# Altium PCB all.PcbDoc (part 1 of 2) (continued)
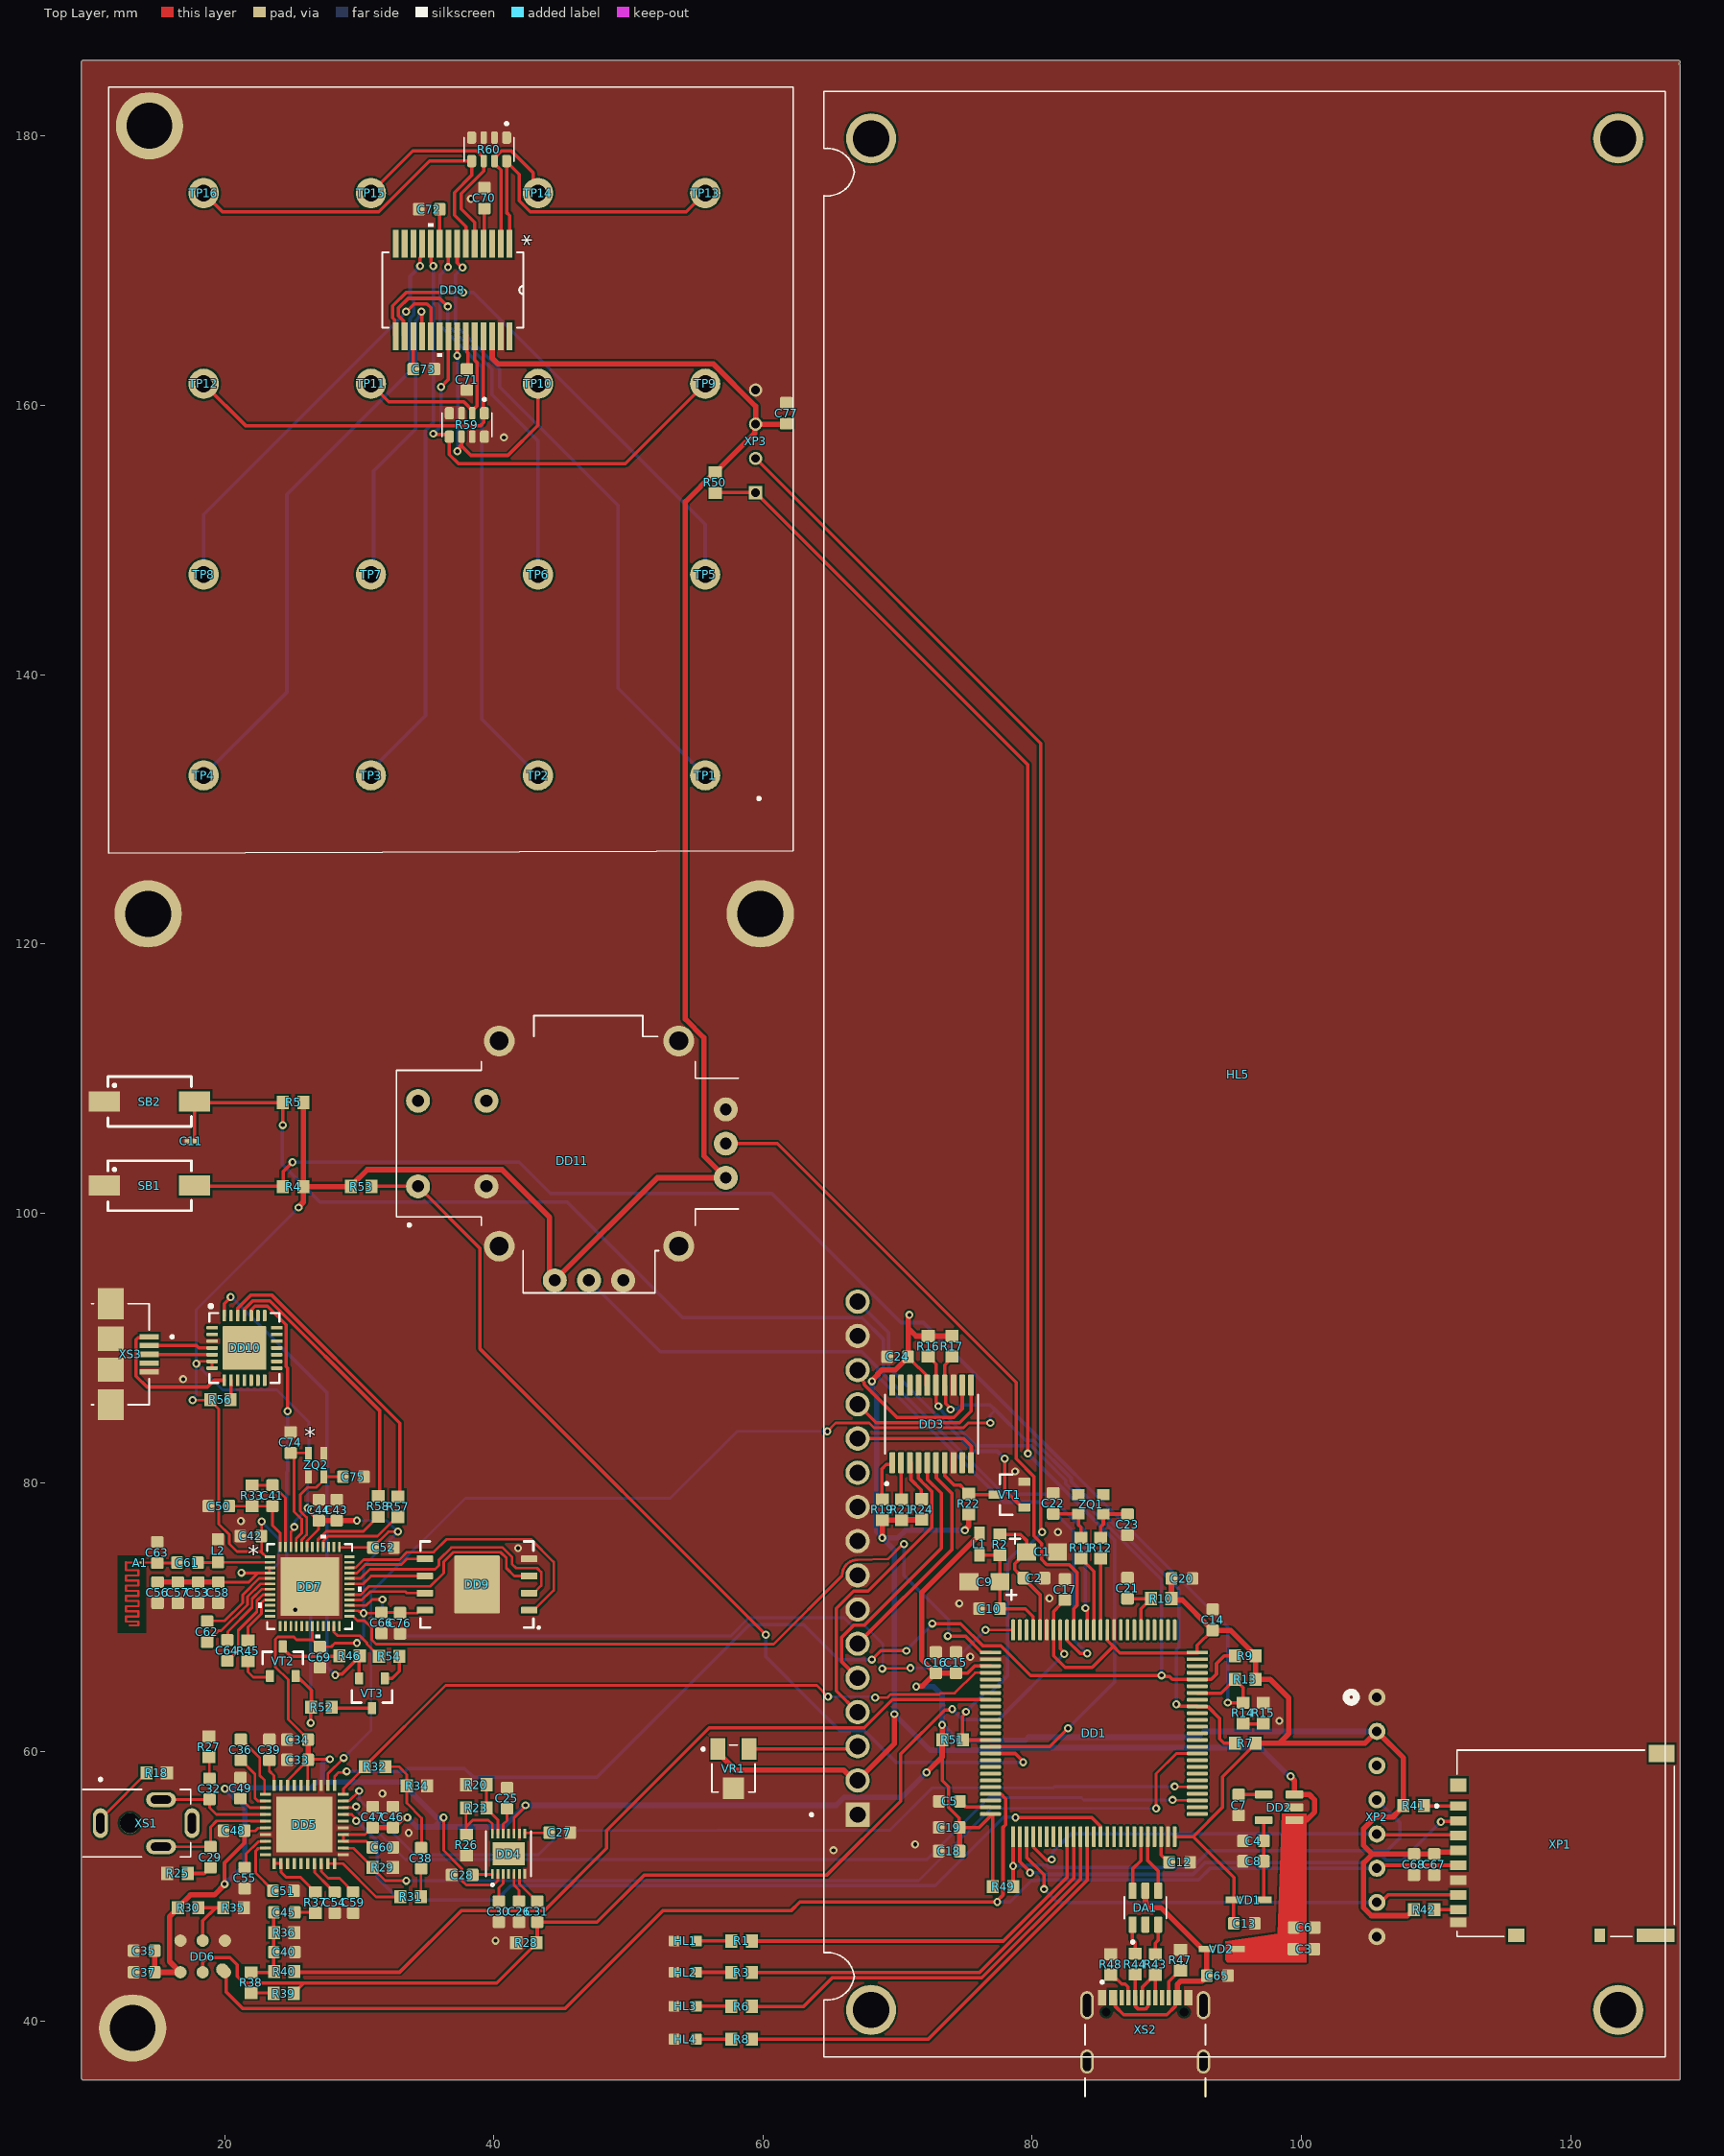
[diagram p0: Top Layer view]
## Components (designator, comment, footprint, x,y, rotation, side; value= is the part's Value field where it differs from the comment) (continued)
R16 "0603 В 4.7 K 1% Keystone Electronics" R0_0603 72.275,90.125 r90 top value="4.7 K"
R17 "0603 В 4.7 K 1% Keystone Electronics" R0_0603 74.025,90.125 r90 top value="4.7 K"
R18 "0603 В 0R 1% Keystone Electronics" R0_0603 14.95,58.45 r180 top value=0R
R19 "0603 В 1K 1% Keystone Electronics" R0_0603 68.85,77.975 r270 top value=1K
R20 "0603 0 В 2.21k 1% Keystone Electronics" R0_0603 38.7,57.55 r0 top value=2.21k
R21 "0603 В 1K 1% Keystone Electronics" R0_0603 70.275,77.975 r270 top value=1K
R22 "0603 В 4.7K 1% Keystone Electronics" R0_0603 75.275,78.4 r270 top value=4.7K
R23 "0603 0 В 150k 1% Keystone Electronics" R0_0603 38.7,55.813 r0 top value=150k
R24 "0603 В 1K 1% Keystone Electronics" R0_0603 71.775,78 r270 top value=1K
R25 "0603 В 51R 1% Keystone Electronics" R0_0603 16.5,50.975 r180 top value=51R
R26 "0603 0 В 100k 1% Keystone Electronics" R0_0603 37.977,53.075 r90 top value=100k
R27 "0603 В 51R 1% Keystone Electronics" R0_0603 18.85,60.375 r90 top value=51R
R28 "0603 0 В 470R 1% Keystone Electronics" R0_0603 42.425,45.8 r0 top value=470R
R29 "0603 В 10K 1% Keystone Electronics" R0_0603 31.75,51.4 r0 top value=10K
R30 "0603 В 0R 1% Keystone Electronics" R0_0603 17.3,48.4 r0 top value=0R
R31 "0603 В 100R 1% Keystone Electronics" R0_0603 33.825,49.225 r0 top value=100R
R32 "0603 В 0R 1% Keystone Electronics" R0_0603 31.175,58.9 r180 top value=0R
R33 "0603 0 В 20k 1% Keystone Electronics" R0_0603 22.05,79.025 r90 top value=20k
R34 "0603 В 0R 1% Keystone Electronics" R0_0603 34.3,57.45 r0 top value=0R
R35 "0603 В 0R 1% Keystone Electronics" R0_0603 20.675,48.4 r0 top value=0R
R36 "0603 В 100k 1% Keystone Electronics" R0_0603 24.435,46.55 r0 top value=100k
R37 "0603 В 100R 1% Keystone Electronics" R0_0603 26.75,48.8 r270 top value=100R
R38 "0603 В 1.2k 1% Keystone Electronics" R0_0603 21.975,42.85 r270 top value=1.2k
R39 "0603 В 0R 1% Keystone Electronics" R0_0603 24.4,42.05 r0 top value=0R
R40 "0603 В 0R 1% Keystone Electronics" R0_0603 24.435,43.675 r0 top value=0R
R41 "0603 0 В 10k 1% Keystone Electronics" R0_0603 108.325,56.025 r180 top value=10k
R42 "0603 0 В 10k 1% Keystone Electronics" R0_0603 109.1,48.275 r180 top value=10k
R43 "0603 0 В 220R 1% Keystone Electronics" R0_0603 89.125,44.2 r270 top value=220R
R44 "0603 0 В 220R 1% Keystone Electronics" R0_0603 87.625,44.225 r270 top value=220R
R45 "0603 0 В 0R 1% Keystone Electronics" R0_0603 21.75,67.5 r90 top value=0R
R46 "0603 0 В 10k 1% Keystone Electronics" R0_0603 29.275,67.125 r180 top value=10k
R47 "0603 0 В 5.1k 1% Keystone Electronics" R0_0603 91,44.525 r270 top value=5.1k
R48 "0603 0 В 5.1k 1% Keystone Electronics" R0_0603 85.825,44.2 r270 top value=5.1k
R49 "0603 0 В 10k 1% Keystone Electronics" R0_0603 77.825,50 r180 top value=10k
R50 "0603 0 В 4.7k 1% Keystone Electronics" R0_0603 56.45,154.275 r90 top value=4.7k
R51 "0603 0 В 4.7k 1% Keystone Electronics" R0_0603 74.075,60.9 r180 top value=4.7k
R52 "0603 0 В 10k 1% Keystone Electronics" R0_0603 27.2,63.3 r0 top value=10k
R53 "0603 0 В 4.7k 1% Keystone Electronics" R0_0603 30.15,102 r180 top value=4.7k
R54 "0603 0 В 0R 1% Keystone Electronics" R0_0603 32.225,67.1 r180 top value=0R
R56 "0603 0 В 4.7k 1% Keystone Electronics" R0_0603 19.695,86.143 r0 top value=4.7k
R57 "0603 0 В 1k 1% Keystone Electronics" R0_0603 32.875,78.2 r270 top value=1k
R58 "0603 0 В 1k 1% Keystone Electronics" R0_0603 31.4,78.225 r270 top value=1k
R59 "0603 0 В 1M 1% Keystone Electronics" RESISTOR_NETWORKS 38,158.55 r270 top value=1M
R60 "0603 0 В 1M 1% Keystone Electronics" RESISTOR_NETWORKS 39.65,179.025 r270 top value=1M
SB1 "430182043816" button2 14.425,102.05 r0 top
SB2 "430182043816" button2 14.425,108.3 r0 top
TP1 "TP" PAD-1.25mm 55.7,132.525 r0 top
TP2 "TP" PAD-1.25mm 43.283,132.525 r0 top
TP3 "TP" PAD-1.25mm 30.867,132.525 r0 top
TP4 "TP" PAD-1.25mm 18.45,132.525 r0 top
TP5 "TP" PAD-1.25mm 55.7,147.442 r0 top
TP6 "TP" PAD-1.25mm 43.283,147.442 r0 top
TP7 "TP" PAD-1.25mm 30.867,147.442 r0 top
TP8 "TP" PAD-1.25mm 18.45,147.442 r0 top
TP9 "TP" PAD-1.25mm 55.7,161.608 r0 top
TP10 "TP" PAD-1.25mm 43.283,161.608 r90 top
TP11 "TP" PAD-1.25mm 30.867,161.608 r90 top
TP12 "TP" PAD-1.25mm 18.45,161.608 r90 top
TP13 "TP" PAD-1.25mm 55.7,175.775 r90 top
TP14 "TP" PAD-1.25mm 43.283,175.775 r90 top
TP15 "TP" PAD-1.25mm 30.867,175.775 r90 top
TP16 "TP" PAD-1.25mm 18.45,175.775 r90 top
VD1 "BAT60JFILM" BAT60JFILM 96.075,49 r180 top
VD2 "" BAT60JFILM 94.075,45.35 r0 top
VR1 "RHEOSTAT" RHEOSTAT 57.8,58.75 r180 top (schematic designator vR1)
VT1 "MMBTA06LT1G" SOT-23 78.3,79.1 r0 top
VT2 "MMBTA06LT1G" SOT-23 24.325,66.725 r270 top
VT3 "MMBTA06LT1G" SOT-23 30.95,64.35 r90 top
XP1 "SD_Card" sd_card 119.6,53.225 r90 top
XP2 "SD_Card_Header" xp8 105.6,51.355 r270 top
XP3 "TTP229_Header" XP4_ttp229 59.7,136.535 r90 top locked
XS1 "SJ1-2503A Same Sky (Formerly CUI Devices)" XS_AUDIO 11.975,54.7 r270 top
XS2 "USB Type-C 2.0" SAMESKY_UJ20-C-H-G-SMT-1-P16-TR 88.39,34.395 r0 top
XS3 "MICRO_USB" MICRO_USB 11.55,89.525 r270 top
ZQ1 "ECS-2520MV-080-CN-TR" Oscillator 84.35,78.375 r0 top
ZQ2 "STDCZS3-40M" crystal 26.8,81.3 r0 top

## Footprints (in the part's own frame and the unit in brackets; to place one, negate y for a bottom-side part, rotate by r counter-clockwise, add the part's x,y. Pads: shape width x height; smd on the part's side, far side on the other; paste and mask are expansions set on the pad)
28-SSOP [mil]
  rect 81x17 smd paste-40.5 mask-40.5: 1(-135,166.34) 2(-135,140.75) 3(-135,115.16) 4(-135,89.57) 5(-135,63.98) 6(-135,38.39) 7(-135,12.8) 8(-135,-12.79) 9(-135,-38.39) 10(-135,-63.98) 11(-135,-89.57) 12(-135,-115.16) 13(-135,-140.75) 14(-135,-166.34) 15(135,-166.34) 16(135,-140.75) 17(135,-115.16) 18(135,-89.57) 19(135,-63.98) 20(135,-38.39) 21(135,-12.79) 22(135,12.8) 23(135,38.39) 24(135,63.98) 25(135,89.57) 26(135,115.16) 27(135,140.75) 28(135,166.34)
  silkscreen extent -196,-207 196,206, body extent -161,-206 162,206, height 79
BAT60JFILM [mil]
  rect 46x19 smd paste+0 mask+0: 1(-44,0) 2(44,0)
  body extent -53,-28 53,29, height 45
button2 [mm]
  rect 2.3x1.5 smd: 1(-3.35,0) 2(3.35,0)
  silkscreen extent -3.1,-1.85 3.1,1.85, body extent -4,-1.75 4,1.75, height 4.3
C_0201 [mm]
  rect 0.38x0.4 smd: 1(-0.281,0) 2(0.281,0)
  body extent -0.3,-0.15 0.3,0.15, height 0.3
C_0603 [mm]
  rrect25% 0.87x0.93 smd: 1(-0.78,0) 2(0.78,0)
  body extent -0.8,-0.48 0.8,0.43, height 0.76
C_tantal [mm]
  rect 1.405x1.3 smd paste+0 mask+0: 1(-1.15,0) 2(1.15,0)
  silkscreen extent -2.38,0.59 -1.62,1.36, body extent -1.7,-0.8 1.7,0.8, height 1.85
crystal [mil]
  rect 20.03x37.81 smd paste+0 mask+0: 1(-22.5,34.41) 2(-22.5,-34.41) 3(22.5,-34.41) 4(22.5,34.41)
  body extent -34,-41 34,41, height 20
CS43L22 [mil]
  rect 32x9 smd paste+0 mask+0: 1(-114,88.58) 2(-114,68.9) 3(-114,49.21) 4(-114,29.53) 5(-114,9.84) 6(-114,-9.84) 7(-114,-29.53) 8(-114,-49.21) 9(-114,-68.9) 10(-114,-88.58) 21(114,-88.58) 22(114,-68.9) 23(114,-49.21) 24(114,-29.53) 25(114,-9.84) 26(114,9.84) 27(114,29.53) 28(114,49.21) 29(114,68.9) 30(114,88.58)
  rect 9x32 smd paste+0 mask+0: 11(-88.58,-114) 12(-68.9,-114) 13(-49.21,-114) 14(-29.53,-114) 15(-9.84,-114) 16(9.84,-114) 17(29.53,-114) 18(49.21,-114) 19(68.9,-114) 20(88.58,-114) 31(88.58,114) 32(68.9,114) 33(49.21,114) 34(29.53,114) 35(9.84,114) 36(-9.84,114) 37(-29.53,114) 38(-49.21,114) 39(-68.9,114) 40(-88.58,114)
  rect 163x163 smd paste-81.5 mask+0: 41(0,0)
  body extent -118,-118 118,118, height 39
ESP [mil]
  rect 30x8 smd paste+0 mask+0: 1(-115.01,86.61) 2(-115.01,70.87) 3(-115.01,55.12) 4(-115.01,39.37) 5(-115.01,23.62) 6(-115.01,7.87) 7(-115.01,-7.87) 8(-115.01,-23.62) 9(-115.01,-39.37) 10(-115.01,-55.12) 11(-115.01,-70.87) 12(-115.01,-86.61) 25(116.98,-86.61) 26(116.98,-70.87) 27(116.98,-55.12) 28(116.98,-39.37) 29(116.98,-23.62) 30(116.98,-7.87) 31(116.98,7.87) 32(116.98,23.62) 33(116.98,39.37) 34(116.98,55.12) 35(116.98,70.87) 36(116.98,86.61)
  rect 8x30 smd paste+0 mask+0: 13(-85.63,-116) 14(-69.88,-116) 15(-54.13,-116) 16(-38.38,-116) 17(-22.64,-116) 18(-6.89,-116) 19(8.86,-116) 20(24.61,-116) 21(40.36,-116) 22(56.1,-116) 23(71.85,-116) 24(87.6,-116) 37(87.6,116) 38(71.85,116) 39(56.1,116) 40(40.36,116) 41(24.61,116) 42(8.86,116) 43(-6.89,116) 44(-22.64,116) 45(-38.38,116) 46(-54.13,116) 47(-69.88,116) 48(-85.63,116)
  rect 171x171 smd paste-85.5 mask+0: 49(0.98,0)
  silkscreen extent -150,-151 152,151, body extent -118,-119 120,119, height 35
FB0603 [mm]
  rrect15% 0.9x0.9 smd mask+0.05: 1(-0.85,0) 2(0.85,0)
  body extent -0.8,-0.4 0.8,0.4, height 0.8
INDUCTION [mm]
  rect 1x0.8 smd: 1(-0.8,0) 2(0.8,0)
  body extent -0.8,-0.4 0.8,0.4, height 0.95
lcd [mm]
  rect 1.8x1.8 / inner round 1.8 / far side rect 1.8x1.8 hole 1.2: 1(-55,28.75)
  round 1.8 hole 1.2: 2(-52.46,28.75) 3(-49.92,28.75) 4(-47.38,28.75) 5(-44.84,28.75) 6(-42.3,28.75) 7(-39.76,28.75) 8(-37.22,28.75) 9(-34.68,28.75) 10(-32.14,28.75) 11(-29.6,28.75) 12(-27.06,28.75) 13(-24.52,28.75) 14(-21.98,28.75) 15(-19.44,28.75) 16(-16.9,28.75)
  round 3.716 hole 2.7: SH1(-69.5,27.75) SH2(69.5,27.75) SH3(-69.5,-27.75) SH4(69.5,-27.75)
  silkscreen extent -73,-31.25 73,32.28, body extent -73,-31.25 73,31.25, height 15.3
LD3985M33R [mm]
  rrect25% 1.32x0.59 smd: 1(-1.145,0.95) 2(-1.145,0) 3(-1.145,-0.95) 4(1.145,-0.95) 5(1.145,0.95)
  body extent -1.4,-1.46 1.4,1.46, height 1.45
LED [mm]
  rrect15% 0.8x0.8 smd mask+0.05: 1(-0.9,0) 2(0.75,0)
  body extent -0.87,-0.4 0.73,0.4, height 0.54
MAX9814 [mm]
  rect 0.706x0.204 smd paste+0 mask+0: 1(-1.496,1.225) 2(-1.496,0.825) 3(-1.496,0.425) 4(-1.496,0.025) 5(-1.496,-0.375) 6(-1.496,-0.775) 7(-1.496,-1.175) 8(1.496,-1.175) 9(1.496,-0.775) 10(1.496,-0.375) 11(1.496,0.025) 12(1.496,0.425) 13(1.496,0.825) 14(1.496,1.225)
  rect 1.702x2.388 smd paste+0 mask+0: 15(0,0.025)
  silkscreen extent -2.4,-1.65 1.68,1.7, body extent -1.55,-1.52 1.55,1.57, height 0.81
MICRO_USB [mm]
  rect 0.4x1.4 smd: 1(-1.3,2.85) 2(-0.65,2.85) 3(0,2.85) 4(0.65,2.85) 5(1.3,2.85)
  rect 2.3x1.9 smd: SH1(-3.75,0) SH4(3.75,0)
  rect 1.8x1.9 smd: SH2(-1.15,0) SH3(1.15,0)
  silkscreen extent -3.75,-1.45 3.75,4.65, body extent -4.04,-2.7 4.04,2.86, height 2.79
MP45DT02 [mil]
  round 36 smd paste+0 mask+0: 1(-46.26,64.96) 2(-46.26,0) 3(-46.26,-64.96) 4(46.26,-64.96) 5(46.26,0)
  oval 47x36 smd rot 45 paste-23.5 mask-23.5: 6(42.13,61.02)
  body extent -74,-93 74,93, height 54
Oscillator [mm]
  rect 0.9x0.8 smd: 1(-0.925,-0.725) 2(0.925,-0.725) 3(0.925,0.725) 4(-0.925,0.725)
  body extent -1.25,-1 1.25,1, height 0.9
PAD-1.25mm [mm]
  round 2.25 hole 1.25: 1(0,0)
PCB_ANT [mil]
  rect 5x5 smd: 1(0,0)
  Top Layer lines w6.2: -32.23,-183.23 -6,-183.23 -6,-172.27 -42.23,-172.27 -42.23,-157.27 -6,-157.27 -6,-142.27 -42.23,-142.27 -42.23,-127.27 -5.64,-127.27 -5.64,-112.27 -42.23,-112.27 -42.23,-97.27 -6,-97.27 -6,-82.27 -42.23,-82.27 -42.23,-67.27 -6,-67.27 -6,-52.27 -42.23,-52.27 -42.23,-37.27 -6,-37.27 -6,-22.27 -42.23,-22.27 -42.23,0.73 0,0
PCF8574TS [mm]
  rrect25% 1.56x0.42 smd: 1(-2.88,2.925) 2(-2.88,2.275) 3(-2.88,1.625) 4(-2.88,0.975) 5(-2.88,0.325) 6(-2.88,-0.325) 7(-2.88,-0.975) 8(-2.88,-1.625) 9(-2.88,-2.275) 10(-2.88,-2.925) 11(2.88,-2.925) 12(2.88,-2.275) 13(2.88,-1.625) 14(2.88,-0.975) 15(2.88,-0.325) 16(2.88,0.325) 17(2.88,0.975) 18(2.88,1.625) 19(2.88,2.275) 20(2.88,2.925)
  silkscreen extent -4.54,-3.45 2.2,3.45, body extent -3.2,-3.25 3.2,3.25, height 1.5
QFN-28_5x5mm [mm]
  rrect50% 0.85x0.28 smd mask+0.05: 1(-2.4,1.5) 2(-2.4,1) 3(-2.4,0.5) 4(-2.4,0) 5(-2.4,-0.5) 6(-2.4,-1) 7(-2.4,-1.5) 15(2.4,-1.5) 16(2.4,-1) 17(2.4,-0.5) 18(2.4,0) 19(2.4,0.5) 20(2.4,1) 21(2.4,1.5)
  rrect50% 0.28x0.85 smd mask+0.05: 8(-1.5,-2.4) 9(-1,-2.4) 10(-0.5,-2.4) 11(0,-2.4) 12(0.5,-2.4) 13(1,-2.4) 14(1.5,-2.4) 22(1.5,2.4) 23(1,2.4) 24(0.5,2.4) 25(0,2.4) 26(-0.5,2.4) 27(-1,2.4) 28(-1.5,2.4)
  rrect5% 3.25x3.25 smd paste-1.65 mask+0.05: 29(0,0)
  silkscreen extent -2.61,-2.6 2.6,3.21, body extent -2.5,-2.5 2.5,2.5, height 1
R0_0603 [mm]
  rect 0.9x0.97 smd: 1(-0.765,0.007) 2(0.755,0.007)
  body extent -0.78,-0.39 0.77,0.41, height 0.55
RESISTOR_NETWORKS [mm]
  rrect50% 0.93x0.68 smd: 1(-0.87,1.3) 4(-0.87,-1.3) 5(0.87,-1.3) 8(0.87,1.3)
  rrect50% 0.93x0.48 smd: 2(-0.87,0.4) 3(-0.87,-0.4) 6(0.87,-0.4) 7(0.87,0.4)
  silkscreen extent -2,-1.85 0.88,1.85, body extent -0.8,-1.6 0.8,1.6, height 0.6
RHEOSTAT [mm]
  rect 1.1x1.6 smd: 1(1.15,-1.45) 3(-1.15,-1.45)
  rect 1.6x1.6 smd: 2(0,1.45)
  silkscreen extent -1.6,-1.75 2.35,1.75, body extent -1.6,-1.75 1.6,1.75, height 2.4
SAMESKY_UJ20-C-H-G-SMT-1-P16-TR [mm]
  rect 0.6x1.15 smd: A1_B12(-3.2,7.345) A4_B9(-2.4,7.345) B1_A12(3.2,7.345) B4_A9(2.4,7.345)
  rect 0.3x1.15 smd: A5(-1.25,7.345) A6(-0.25,7.345) A7(0.25,7.345) A8(1.25,7.345) B5(1.75,7.345) B6(0.75,7.345) B7(-0.75,7.345) B8(-1.75,7.345)
  oval 1x1.8 hole 0.6 slot 1.4 at 90 deg: MS(-4.32,2.6) MS(4.32,2.6)
  oval 1x2.1 hole 0.6 slot 1.7 at 90 deg: MS(-4.32,6.78) MS(4.32,6.78)
  round 0 hole 0.65 unplated: ""(-2.89,6.28) ""(2.89,6.28)
  Multi-Layer pour cut-out: -3.27,6.292 -3.242,6.43 -3.164,6.547 -3.047,6.626 -2.909,6.653 -2.909,6.653 -2.875,6.653 -2.738,6.626 -2.621,6.548 -2.544,6.432 -2.516,6.294 -2.516,6.294 -2.516,6.277 -2.544,6.137 -2.623,6.018 -2.742,5.939 -2.882,5.911 -2.882,5.911 -2.889,5.911 -3.035,5.94 -3.158,6.022 -3.241,6.146 -3.269,6.291 -3.269,6.291
  Multi-Layer pour cut-out: 2.51,6.292 2.538,6.43 2.616,6.547 2.733,6.626 2.871,6.653 2.871,6.653 2.905,6.653 3.042,6.626 3.159,6.548 3.236,6.432 3.264,6.294 3.264,6.294 3.264,6.277 3.236,6.137 3.157,6.018 3.038,5.939 2.898,5.911 2.898,5.911 2.891,5.911 2.745,5.94 2.622,6.022 2.539,6.146 2.511,6.291 2.511,6.291
  silkscreen extent -4.47,0 4.47,8.6, body extent -4.47,0 4.47,7.6, height 3.31
sd_card [mm]
  rect 0.7x1.2 smd paste+0 mask+0.102: 1(2.75,7.95) 2(1.65,7.95) 3(0.55,7.95) 4(-0.55,7.95) 5(-1.65,7.95) 6(-2.75,7.95) 7(-3.85,7.95) 8(-4.95,7.95) 9(-5.9,7.95)
  rect 1x1.2 smd paste+0 mask+0.102: P1(-6.85,3.65) P4(4.3,7.95)
  rect 1x2.8 smd paste+0 mask+0.102: P2(-6.85,-6.7)
  rect 1.3x1.9 smd paste+0 mask+0.102: P3(6.65,-7.15)
  rect 1x0.8 smd paste+0 mask+0.102: SWA(-6.85,-2.55)
  silkscreen extent -6.95,-8.1 6.9,9.65, body extent -6.97,-8.1 6.88,8.05, height 1.68
SOT-23 [mm]
  rrect15% 0.9x0.6 smd mask+0.05: 1(1.1,-0.95) 2(1.1,0.95) 3(-1.1,0)
  silkscreen extent -0.7,-1.5 0.2,1.5, body extent -1.27,-1.5 1.28,1.5, height 1.15
SOT-23-6L [mm]
  rrect25% 1.21x0.59 smd: 1(-1.255,0.95) 2(-1.255,0) 3(-1.255,-0.95) 4(1.255,-0.95) 5(1.255,0) 6(1.255,0.95)
  silkscreen extent -2.65,-1.57 0.81,1.57, body extent -1.4,-1.46 1.4,1.46, height 1.44
STM32F407VGT6 [mm]
  rrect50% 1.56x0.28 smd: 1(-7.68,6) 2(-7.68,5.5) 3(-7.68,5) 4(-7.68,4.5) 5(-7.68,4) 6(-7.68,3.5) 7(-7.68,3) 8(-7.68,2.5) 9(-7.68,2) 10(-7.68,1.5) 11(-7.68,1) 12(-7.68,0.5) 13(-7.68,0) 14(-7.68,-0.5) 15(-7.68,-1) 16(-7.68,-1.5) 17(-7.68,-2) 18(-7.68,-2.5) 19(-7.68,-3) 20(-7.68,-3.5) 21(-7.68,-4) 22(-7.68,-4.5) 23(-7.68,-5) 24(-7.68,-5.5) 25(-7.68,-6) 51(7.68,-6) 52(7.68,-5.5) 53(7.68,-5) 54(7.68,-4.5) 55(7.68,-4) 56(7.68,-3.5) 57(7.68,-3) 58(7.68,-2.5) 59(7.68,-2) 60(7.68,-1.5) 61(7.68,-1) 62(7.68,-0.5) 63(7.68,0) 64(7.68,0.5) 65(7.68,1) 66(7.68,1.5) 67(7.68,2) 68(7.68,2.5) 69(7.68,3) 70(7.68,3.5) 71(7.68,4) 72(7.68,4.5) 73(7.68,5) 74(7.68,5.5) 75(7.68,6)
  rrect50% 0.28x1.56 smd: 26(-6,-7.68) 27(-5.5,-7.68) 28(-5,-7.68) 29(-4.5,-7.68) 30(-4,-7.68) 31(-3.5,-7.68) 32(-3,-7.68) 33(-2.5,-7.68) 34(-2,-7.68) 35(-1.5,-7.68) 36(-1,-7.68) 37(-0.5,-7.68) 38(0,-7.68) 39(0.5,-7.68) 40(1,-7.68) 41(1.5,-7.68) 42(2,-7.68) 43(2.5,-7.68) 44(3,-7.68) 45(3.5,-7.68) 46(4,-7.68) 47(4.5,-7.68) 48(5,-7.68) 49(5.5,-7.68) 50(6,-7.68) 76(6,7.68) 77(5.5,7.68) 78(5,7.68) 79(4.5,7.68) 80(4,7.68) 81(3.5,7.68) 82(3,7.68) 83(2.5,7.68) 84(2,7.68) 85(1.5,7.68) 86(1,7.68) 87(0.5,7.68) 88(0,7.68) 89(-0.5,7.68) 90(-1,7.68) 91(-1.5,7.68) 92(-2,7.68) 93(-2.5,7.68) 94(-3,7.68) 95(-3.5,7.68) 96(-4,7.68) 97(-4.5,7.68) 98(-5,7.68) 99(-5.5,7.68) 100(-6,7.68)
  body extent -8,-8 8,8, height 1.6
W25QxxxJVEIQ-127P800X80_MED [mm] "WSON, 8-Leads, Body 6,00x8,00mm, Pitch 1,27mm, Thermal Pad 4,30x3,40mm, IPC Medium Density"
  rrect15% 1.2x0.5 smd mask+0.05: 1(-3.87,1.905) 2(-3.87,0.635) 3(-3.87,-0.635) 4(-3.87,-1.905) 5(3.87,-1.905) 6(3.87,-0.635) 7(3.87,0.635) 8(3.87,1.905)
  rrect5% 3.4x4.3 smd paste-1.7 mask+0.05: 9(0,0)
  silkscreen extent -4.67,-3.2 4.2,3.29, body extent -4.1,-3.05 4.1,3.05, height 0.8
XDCR_COM-09032 [mil]
  round 70 hole 35.43: B1A(-125,500) B1B(125,500) B2A(-125,300) B2B(125,300)
  round 70 hole 35: H1(-100,-400) H2(0,-400) H3(100,-400) V1(-400,100) V2(-400,0) V3(-400,-100)
  round 90 hole 55: S1(-300,262.5) S2(-300,-262.5) S3(300,-262.5) S4(300,262.5)
  silkscreen extent -437,-437 374,563, body extent -527,-525 523,563, height 1190
XP4_ttp229 [mm]
  rect 0.985x0.985 hole 0.635: 1(16.99,0.25)
  round 0.985 hole 0.635: 2(19.53,0.25) 3(22.07,0.25) 4(24.61,0.25)
  silkscreen extent -9.79,-2.53 47.13,48.33, body extent -9.2,-2.2 46.8,47.8, height 9.5
xp8 [mil]
  round 50 hole 28 paste-99999 mask+0: 1(-500,0) 2(-400,0) 3(-300,0) 4(-200,0) 5(-100,0) 6(0,0) 7(100,0) 8(200,0)
  silkscreen extent -515,-90 -485,-60
XS_AUDIO [mm]
  oval 2.216x1.108 hole 0.6 slot 1.5 at 0 deg mask+0.102: 1(0,-1.2) 4(0,5.6)
  oval 1.108x2.216 hole 0.6 slot 1.5 at 90 deg mask+0.102: 2(1.75,3.3) 3(-1.75,3.3)
  round 1.5 hole 1.5 unplated mask+0: ""(0,1)
  silkscreen extent -3.35,-2.5 2.5,5.5, body extent -2.47,-5.75 2.53,5.5, height 4.79

## Part data
A1: "SMA, Through-Hole"
C1 C9: library part С-1u_tantal, Manufacturer=KEMET, Package=1206, Temp_Coef=-, Tolerance=10%, Voltage="20 В"
C2 C3 C4 C5 C6 C7 C8 C10 C12 C13 C14 C15 C16 C17 C18 C19 C20 C21 C24 C25 C26 C27 C28 C29 C30 C31 C32 C33 C34 C35 C36 C37 C38 C39 C40 C41 C42 C43 C44 C45 C46 C47 C48 C49 C50 C51 C52 C53 C54 C55 C56 C57 C58 C59 C60 C61 C62 C63 C64 C65 C66 C67 C68 C69 C70 C71 C72 C73 C74 C75 C76 C77: library part C_0603, Manufacturer="TDK Corporation", Package=0603, Temp_Coef=X7R, Tolerance=10%, Voltage="50 В"
C11: library part С-0.1u, Manufacturer="Murata Electronics", Package=0201, Temp_Coef=X7R, Tolerance=10%, Voltage="16 В"
C22 C23: library part С-20p, Manufacturer=KEMET, Package=0603, Temp_Coef="C0G, NP0", Tolerance=0.1%, Voltage="250 В"
DA1: "17V Clamp 5A (8/20Âµs) Ipp Tvs Diode Surface Mount, SOT-23-6", Manufacturer=STMicroelectronics, Name=USBLC6-2SC6
DD1: library part STM32F407VGT6_SHORT, Manufacturer=STMicroelectronics, Name=STM32F407VGT6
DD2 DD6 VD1: Manufacturer=STMicroelectronics
  DD2: Name=LD3985M33R
  DD6: Name=MP45DT02
  VD1: Name=BAT60JFILM
DD3: library part PCF8574TS, Manufacturer="NXP USA Inc.", Name=PCF8574T
DD4: library part MAX9814, Manufacturer="Analog Devices Inc./Maxim Integrated", Name=MAX9814ETD+T
DD5: Manufaturer="Cirrus Logic Inc.", Name=CS43L22
DD7: library part ESP32-DOWDQ6, Name=ESP32-DOWDQ6
DD8: library part TTP229-B, Manufacturer="Tontek Design Technology", Package=28-SSOP, Part Number=TTP229-B
DD9: library part W25Q256JVEI1, "FLASH - NOR Memory IC 256Mb SPI - Quad I/O, QPI 133 MHz 8-WSON", Manufacturer="Winbond Electronics", Package=SOIC-8, Part Number=W25Q32FVSSIG
DD10: "USB 2.0 to UART, 28-QFN (5x5)", Manufacturer="Silicon Labs", Package="QFN-28 Silicon Labs", Part Number=CP2102-GM
DD11: library part COM-09032, "Thumb Joystick, 1568-09032-ND", Manufacturer="SparkFun Electronics", Availability=Unavailable, Part Number=COM-09032
HL1 HL2 HL3 HL4: library part LED, Manufacturer="Cree LED", Name=XPEBFR-LS-0000-00A01
HL5: Manufacturer="Shenzhen Eone Electronics", Name=2004A-v1.1
L1 L2: library part induction, Manufacturer="TAI-TECH Advanced Electronics Co., Ltd.", Name="FCM 1608KF-601T03"
R1 R3 R6 R7 R8 R9 R20 R23 R26 R28 R33 R41 R42 R43 R44 R45 R46 R47 R48 R49 R50 R51 R52 R53 R54 R56 R57 R58: library part R_0603, Manufacturer="Keystone Electronics", Package=0603, Power="0 В", Tolerance=1%
R2 R4 R5 R10 R11 R12 R13 R14 R15 R16 R17 R18 R19 R21 R22 R24 R25 R27 R29 R30 R31 R32 R34 R35 R36 R37 R38 R39 R40: library part R_0603, Manufacturer="Keystone Electronics", Package=0603, Power=В, Tolerance=1%
R59 R60: library part RESISTOR_NETWORKS, Manufacturer="Keystone Electronics", Package=0603, Power="0 В", Tolerance=1%
SB1 SB2: library part button2, Manufacturer="Würth Elektronik", Name=430182043816
TP1 TP2 TP3 TP4 TP5 TP6 TP7 TP8 TP9 TP10 TP11 TP12 TP13 TP14 TP15 TP16: "Test point 1.25mm. THT"
VD2: library part DIODE_SCHOTTKY, Manufacturer=STMicroelectronics
VR1: Manufacturer="Bourns Inc.", Name=3313J-1-103E
VT1 VT2 VT3: library part NPN, Manufacturer=onsemi, Name=MMBTA06LT1G
XP1: library part 9_PIN_HEADER, Manufacturer="Samtec Inc.", Name=TS-111-T-AA
XP2: library part 8_PIN_HEADER, Manufacturer="Samtec Inc.", Name=TS-111-T-AA
XP3: library part 4_PIN_HEADER_SDO, "CN3", Manufacturer="Samtec Inc.", Name=TS-104-T-A
XS1: library part JACK, Manufacturer="Same Sky (Formerly CUI Devices)", Name=SJ1-2503A
XS2: "Conn USB 2.0 Type C RCP 16 POS 0.85mm Solder RA Thru-Hole 16 Terminal 1 Port T/R", Manufacturer="Same Sky", Part Number=UJ20-C-H-G-SMT-TR
XS3: Manufacturer="Amphenol ICC (FCI)", Name=10104110-0001LF
ZQ1: library part Oscillator, Manufacturer="ECS Inc.", Name=ECS-2520MV-080-CN-TR
ZQ2: library part CRYSTAL, Manufacturer="NDK (NIHON DEMPA KOGYO CO., LTD)", Name=STDCZS3-40M

## Free pads (board coordinates)
  round 5 hole 3.4: ""(13.172,39.487) ""(14.322,122.237) ""(14.425,180.775) ""(59.797,122.237)

## Via types
v1: diameter 0.6, hole 0.3, Top Layer to Bottom Layer, 106 vias

## Nets (pads, with @x,y where several pads share a name; then routed paths per layer and width w, separated by ;. In a path a pad name is that pad's centre, name@x,y a point inside that pad or via, vN(x,y) a via of type N, cw(c..) or ccw(c..) an arc to the next point about the centre after c; other vN are vias at no path point)
3V3: C13.2 C14.2 C15.2 C16.2 C17.2 C18.2 C19.2 C20.2 C33.2 C34.2 C35.2 C37.2 C42.1 C43.2 C44.2 C46.2 C47.2 C48.2 C49.2 C52.1 C53.1 C56.2 C57.2 C58.2 C60.2 C66.2 C67.2 C68.2 C69.1 C76.2 C77.1 DD1.11 DD1.19 DD1.28 DD1.50 DD1.75 DD1.100 DD4.2 DD4.10 DD5.5 DD5.8 DD5.13 DD5.16 DD5.33 DD5.34 DD6.4 DD7.1 DD7.3 DD7.4 DD7.19 DD7.26 DD7.37 DD7.43 DD7.46 DD8.26 DD9.8 DD10.6 DD10.7 DD11.H1 DD11.V1 L1.1 R4.2 R5.2 R7.2 R9.2 R10.2 R13.2 R30.1 R41.2 R42.2 R49.2 R50.2 R51.2 R53.2 R56.1 VD1.2 XP1.4 XP2.2 XP3.3 | length 541.3
  Top Layer w0.2: v1(17.625,86.125) 18.905,86.125 R56.1@18.93,86.15 18.93,86.115 19.575,85.47 19.575,76.914 20.35,76.139 20.35,75.45 20.925,74.875 22.699,74.875 22.75,74.824 ; v1@17.9,88.8 17.983,88.8 18.183,89 DD10.6@19.075,89 ; DD10.7@19.075,88.5 DD10.6@19.075,89 ; DD10.6@19.075,89.025 DD10.6@19.075,89 ; C58.2@19.55,72.6 21.793,72.6 22.468,73.275 ; v1(20.025,57.25) 20.102,57.173 20.492,57.173 21.145,56.52 21.205,56.52 21.875,55.85 23.011,55.85 DD5.13@23.025,55.864 ; v1@21.25,73.275 22.468,73.275 ; C48.2@21.482,54.117 22.281,54.117 22.499,54.336 23.015,54.336 DD5.16@23.029,54.35 ; v1(22.75,77.1) 22.75,76.045 C42.1@22.73,76.025 22.75,76.005 22.75,74.824 ; DD7.4@23.325,73.275 23.325,73.673 23.327,73.675 DD7.3@23.379,73.675 ; DD7.4@23.379,73.275 22.468,73.275 ; DD7.1@23.379,74.475 23.099,74.475 22.75,74.824 ; DD5.8@24.675,57.496 24.689,57.51 24.689,57.884 25.846,59.04 25.871,59.04 C33.2@26.175,59.345 ; DD7.46@24.925,75.2 24.925,76.342 25.175,76.592 v1(25.175,76.7) ; C34.2@25.8,61.325 24.725,62.4 24.725,65.352 23.775,66.302 23.775,68.352 23.948,68.525 25.139,68.525 25.334,68.33 26.525,68.33 ; DD7.43@26.125,75.221 26.127,75.223 26.127,75.659 26.975,76.508 26.975,77.15 26.987,77.162 26.975,77.175 26.965,77.175 26.251,77.889 26.251,78.025 v1(26.174,78.101) ; DD5.5@26.175,57.496 C33.2@26.175,59.345 ; C33.2@26.175,59.375 C33.2@26.175,59.345 ; C33.2@26.2,59.4 26.205,59.405 26.25,59.45 v1(27.825,59.45) ; DD7.19@26.525,69.329 26.525,68.33 ; DD7.37@28.525,75.221 28.525,75.177 28.527,75.175 C52.1@30.975,75.175 ; DD5.33@28.821,53.35 DD5.33@28.835,53.35 ; DD5.33@28.85,53.35 DD5.33@28.835,53.35 ; DD7.26@29.271,70.475 29.273,70.473 29.926,70.473 29.973,70.427 v1@30.109,70.427 ; v1(29.827,68.075) 28.188,68.075 27.918,67.805 C69.1@27.075,67.805 27.05,67.805 26.525,68.33 ; v1(30.325,70.3) 31.595,70.3 C66.2@31.65,70.355 ; C60.2@30.95,52.875 30.95,52.945 30.545,53.35 DD5.33@28.835,53.35 ; C52.1@31.02,75.175 31.02,75.2 32.17,76.35 v1(32.875,76.35) ; C47.2@31.025,54.375 30.97,54.375 30.445,53.85 DD5.34@28.821,53.85 28.821,53.364 DD5.33@28.835,53.35 ; C66.2@31.655,70.35 31.663,70.343 33.007,70.343 C76.2@33.025,70.325 ; C76.2@33.025,70.3 34.31,70.3 34.53,70.52 DD9.8@34.88,70.52 ; v1(36.275,55.125) 36.275,52.673 37.65,51.298 37.65,50.402 37.944,50.108 39.983,50.108 40.3,50.425 DD4.2@40.3,50.929 ; DD4.10@41.5,53.921 41.5,55.105 42.35,55.955 v1(42.35,56.025)
  Top Layer w0.254: 73.32,59.625 73.32,57.855 73.782,57.393 73.782,55.868 74.578,55.072 74.578,54.402 C19.2@74.605,54.375 ; R51.2@73.32,60.858 R51.2@73.32,60.893 ; C15.2@74.325,65.845 75.194,65.845 75.724,66.375 DD1.28@76.9,66.375 ; C19.2@74.635,54.375 76.05,54.375 DD1.50@76.95,55.275 ; R49.2@77.07,49.993 77.07,55.23 ; C17.2@82.425,71.27 82.395,71.27 82.087,70.962 82.087,70.932 81.575,70.42 DD1.19@81.575,69.055 81.588,69.042 81.588,67.137 82.45,66.275 84.45,66.275 85.999,67.824 ; DD1.11@85.575,69.055 85.588,69.042 85.588,68.271 86.017,67.842 86.509,67.35 ; 86.535,67.35 DD1.100@92.325,67.35 ; DD1.75@90.575,53.695 91.949,53.695 ; DD1.100@92.25,67.475 92.25,67.9 C14.2@93.37,69.02 ; C13.2@94.957,47.263 VD1.2@94.957,49 ; VD1.2@95.045,49.03 94.984,49.091 94.984,50.66 91.949,53.695 ; R7.2@96.58,60.632 R7.2@96.58,60.667 ; R9.2@96.58,67.132 R9.2@96.58,67.167 ; R7.2@96.633,60.65 94.139,58.156 94.139,55.886 91.949,53.695
  Top Layer w0.3: v1(20,50.175) 20,51.755 21.48,53.235 C48.2@21.48,54.15
  Top Layer w0.4: C35.2@14.675,45.3 14.805,45.17 C37.2@14.805,43.695 ; C37.2@14.8,43.7 C37.2@14.805,43.695 ; C37.2@14.805,43.625 C37.2@14.805,43.695 ; C56.2@15.025,72.605 16.48,72.605 C57.2@16.525,72.65 ; R30.1@16.5,48.407 17.468,49.375 19.244,49.375 20,50.131 v1(20,50.175) ; C57.2@16.525,72.605 17.905,72.605 C53.1@17.925,72.625 ; R30.1@16.55,48.425 16.55,48.387 15.918,47.755 15.918,44.432 DD6.4@16.725,43.625 14.875,43.625 C37.2@14.805,43.695 ; C53.1@18.025,72.605 19.455,72.605 C58.2@19.475,72.625 ; v1(25.5,100.425) 25.5,100.479 25.855,100.834 R4.2@25.855,101.982 25.861,101.988 R53.2@29.462,101.988 ; R4.2@25.824,102.024 25.855,102.055 R5.2@25.855,108.232 ; C34.2@26.2,60.85 26.205,60.845 26.205,59.405 C33.2@26.205,59.4 ; C44.2@27,77.17 C43.2@28.325,77.17 28.328,77.172 29.824,77.172 v1(29.827,77.175) ; R53.2@29.4,102.125 29.492,102.125 30.606,103.239 40.611,103.239 44.139,99.711 44.139,95.779 44.53,95.388 DD11.V1@44.53,95.015 ; C47.2@31,54.37 C46.2@32.47,54.37 ; C46.2@32.5,54.37 32.53,54.37 33.247,55.087 33.537,55.087 v1(33.575,55.125) ; DD8.26@39.875,165.275 39.875,163.517 40.308,163.083 56.311,163.083 59.45,159.944 XP3.3@59.45,158.605 ; DD11.V1@44.55,95 44.55,95.035 52.15,102.635 DD11.H1@57.23,102.635 ; R50.2@56.443,155.03 56.408,155.03 54.225,152.847 54.225,114.419 55.596,113.048 55.596,104.269 57.15,102.715 DD11.H1@57.15,102.675 ; R50.2@56.523,155.075 59.379,157.931 59.379,158.534 XP3.3@59.45,158.605 ; C77.1@61.725,158.645 61.685,158.605 XP3.3@59.45,158.605 ; v1(71.375,64.85) 71.413,64.888 71.838,64.888 C16.2@72.795,65.845 ; v1(72.15,58.475) 73.3,59.625 R51.2@73.3,60.838 ; v1(73.3,62) 73.31,61.99 73.31,60.868 R51.2@73.32,60.858 ; C15.2@74.325,65.845 C16.2@72.825,65.845 C16.2@72.795,65.845 ; C18.2@74.605,52.625 C19.2@74.605,54.345 ; L1.1@76.075,76.225 76.075,76.125 71.775,71.825 71.775,66.865 C16.2@72.795,65.845 ; C20.2@90.375,72.875 90.338,72.838 90.338,71.39 R10.2@90.33,71.382 90.438,71.274 91.146,71.274 93.135,69.285 93.135,69.255 93.37,69.02 C14.2@93.4,69.02 ; C14.2@93.52,69.02 94.727,69.02 R9.2@96.58,67.167 ; R13.2@96.58,65.382 97.668,65.382 99.05,64 99.05,61.35 98.35,60.65 ; R13.2@96.58,65.395 R9.2@96.58,67.132 ; R7.2@96.675,60.65 98.35,60.65 ; XP2.2@105.6,61.515 105.583,61.515 104.718,60.65 98.35,60.65 ; XP2.2@105.65,61.525 105.65,61.465 107.57,59.545 R41.2@107.57,56.018 ; R41.2@107.587,56 107.32,55.733 107.32,55.695 106.776,55.151 105.463,55.151 104.615,54.303 104.615,53.047 105.257,52.405 ; R42.2@108.325,48.225 108.325,48.213 108.095,47.983 108.014,47.983 107.861,47.83 105.192,47.83 104.615,48.407 104.615,51.763 105.257,52.405 ; C67.2@109.875,52.425 109.99,52.54 111.515,52.54 XP1.4@111.65,52.675 ; C67.2@109.925,52.375 109.895,52.405 C67.2@109.85,52.405 C68.2@108.35,52.405 105.257,52.405
  Bottom Layer w0.2: v1@17.6,86.175 17.6,86.208 17.9,86.508 v1(17.9,88.825) ; v1(21.25,73.3) 23.275,73.3 24,74.025 24,75.85 v1(22.75,77.1) ; v1(25.175,76.7) 25.212,76.737 25.212,77.112 v1@26.175,78.075 ; v1(25.5,100.425) 17.9,92.825 v1(17.9,88.825) ; v1(26.174,78.101) 26.174,81.293 26.275,81.394 26.275,84.478 23.877,86.876 19.849,86.876 v1(17.9,88.825) ; v1(29.827,68.075) 30.325,68.573 v1(30.325,70.3) 30.325,73.8 v1(32.875,76.35) 32.05,77.175 v1(29.827,77.175)
  Bottom Layer w0.4: v1(20,50.175) 20.732,50.907 20.807,50.907 21.5,51.6 21.5,55.946 20.867,56.579 20.696,56.579 v1(20.025,57.25) 20.063,57.288 20.492,57.288 20.525,57.321 26.4,57.321 26.825,57.746 27.275,57.746 ; v1(27.825,59.45) 27.787,59.412 27.571,59.412 27.275,59.116 27.275,57.746 ; v1(33.575,55.125) 34.279,54.421 35.571,54.421 ; v1(71.375,64.85) 72.673,64.85 73.3,64.223 73.3,62.077 73.262,62.038 74.45,60.85 79.476,60.85 79.716,61.089 92.327,61.089 92.753,61.515 XP2.2@105.485,61.515 ; v1(72.15,58.475) 70.295,56.62 66.02,56.62 65.425,56.025 v1(42.35,56.025) 40.746,54.421 35.571,54.421 ; 27.275,57.746 33.125,57.746 35.746,55.125 v1(36.275,55.125) 35.571,54.421